# Altium PCB AL1000.PcbDoc (part 1 of 8)
Units mil, origin at the board's own origin, x right, y up, seen from the top; angles counter-clockwise.
Board outline 8277.75 x 4143.89 mil, 4 copper layers (Component Side, Ground Plane, Power Plane, Solder Side), stack 33.234 mil thick; 485 components, 360 nets, 1548 pads, 394 vias.
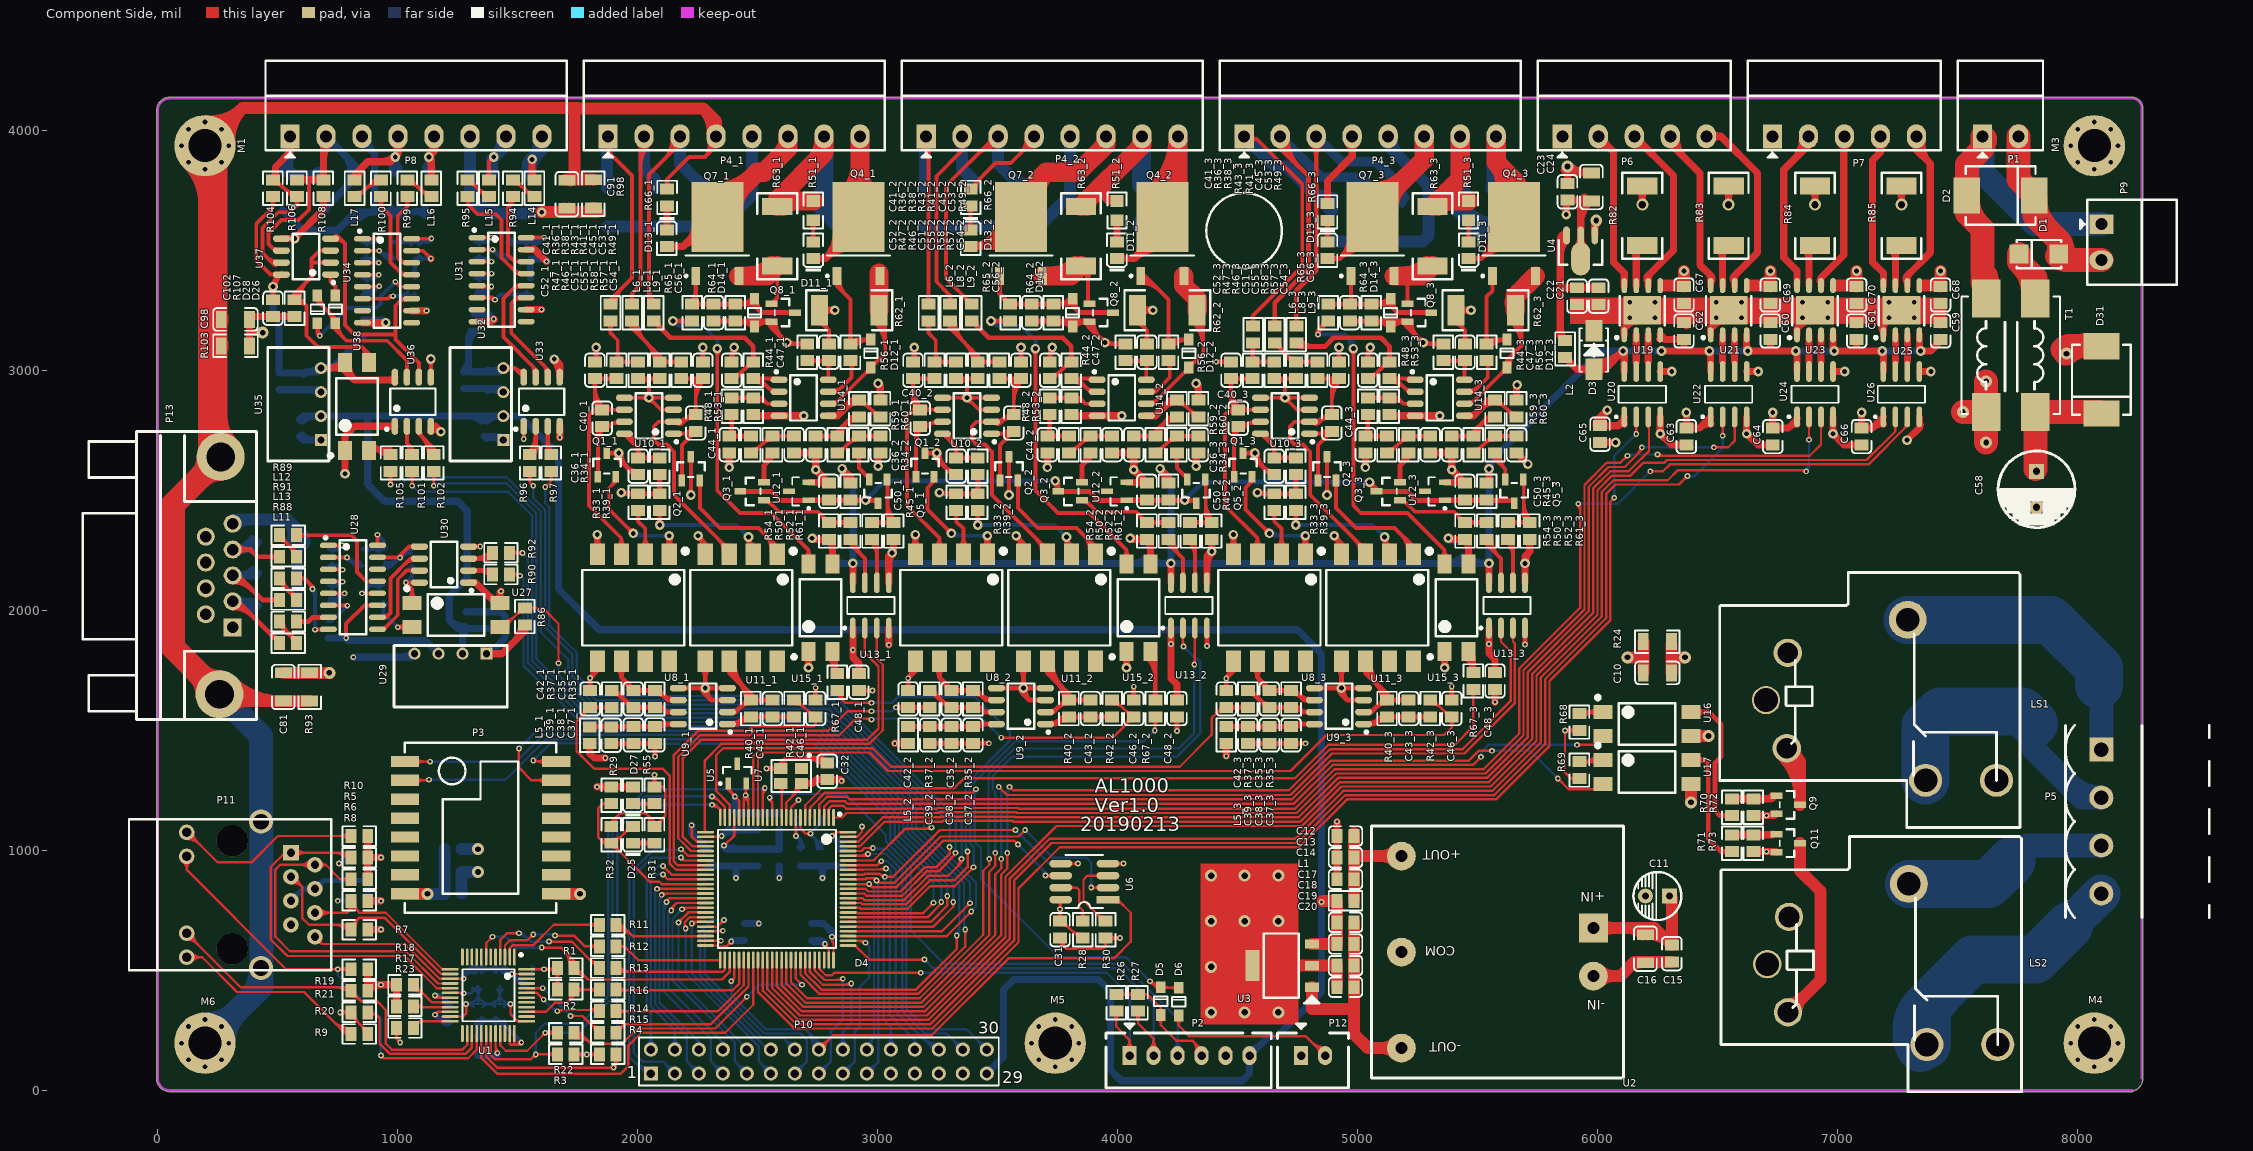
[diagram p0: Component Side view]
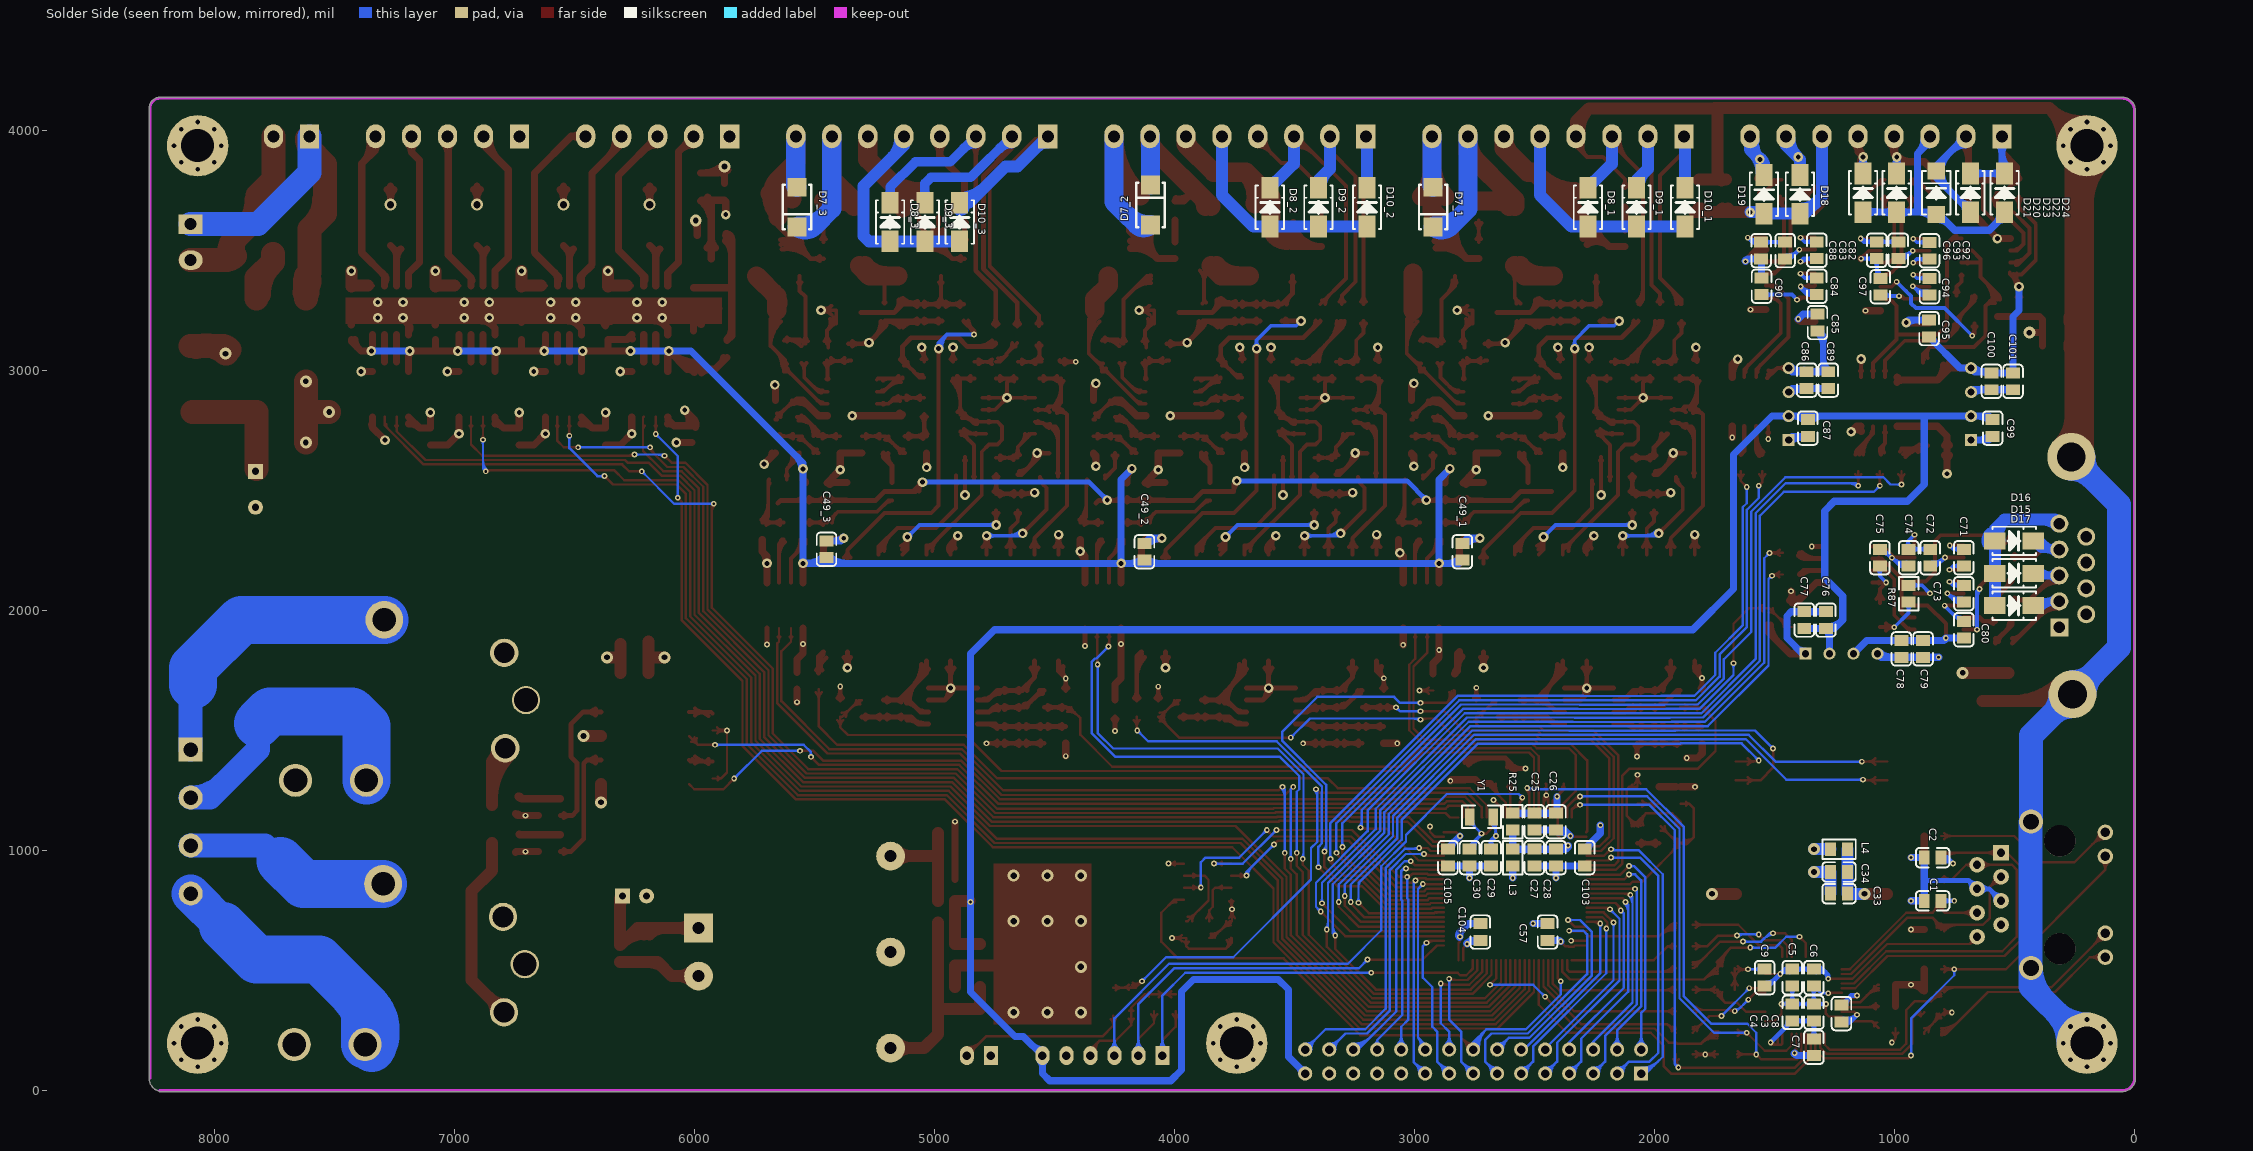
[diagram p1: Solder Side view, seen from below]
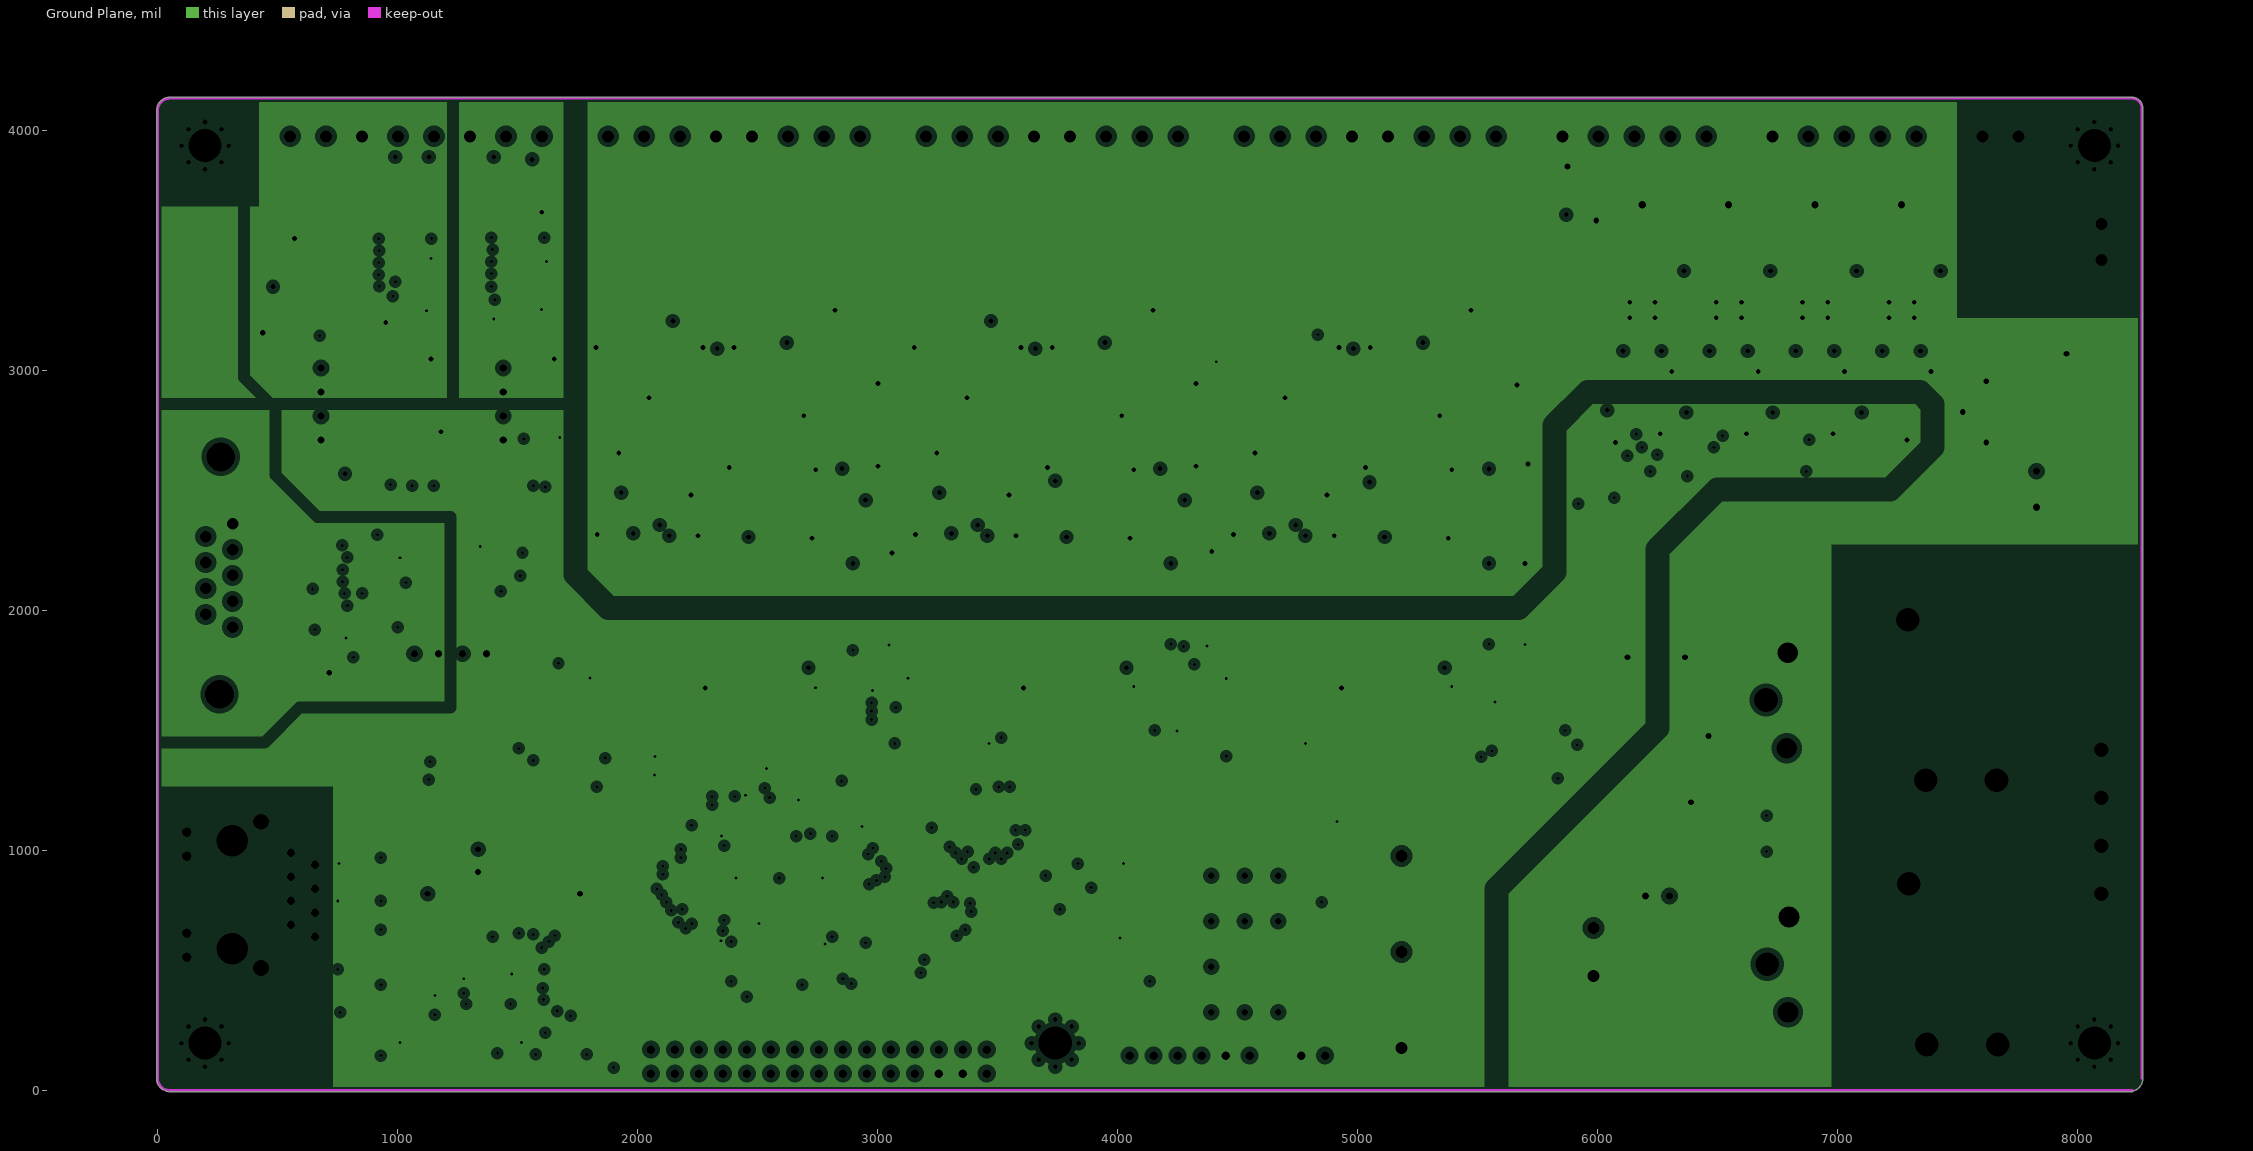
[diagram p2: Ground Plane, clearances drawn from the general rule]
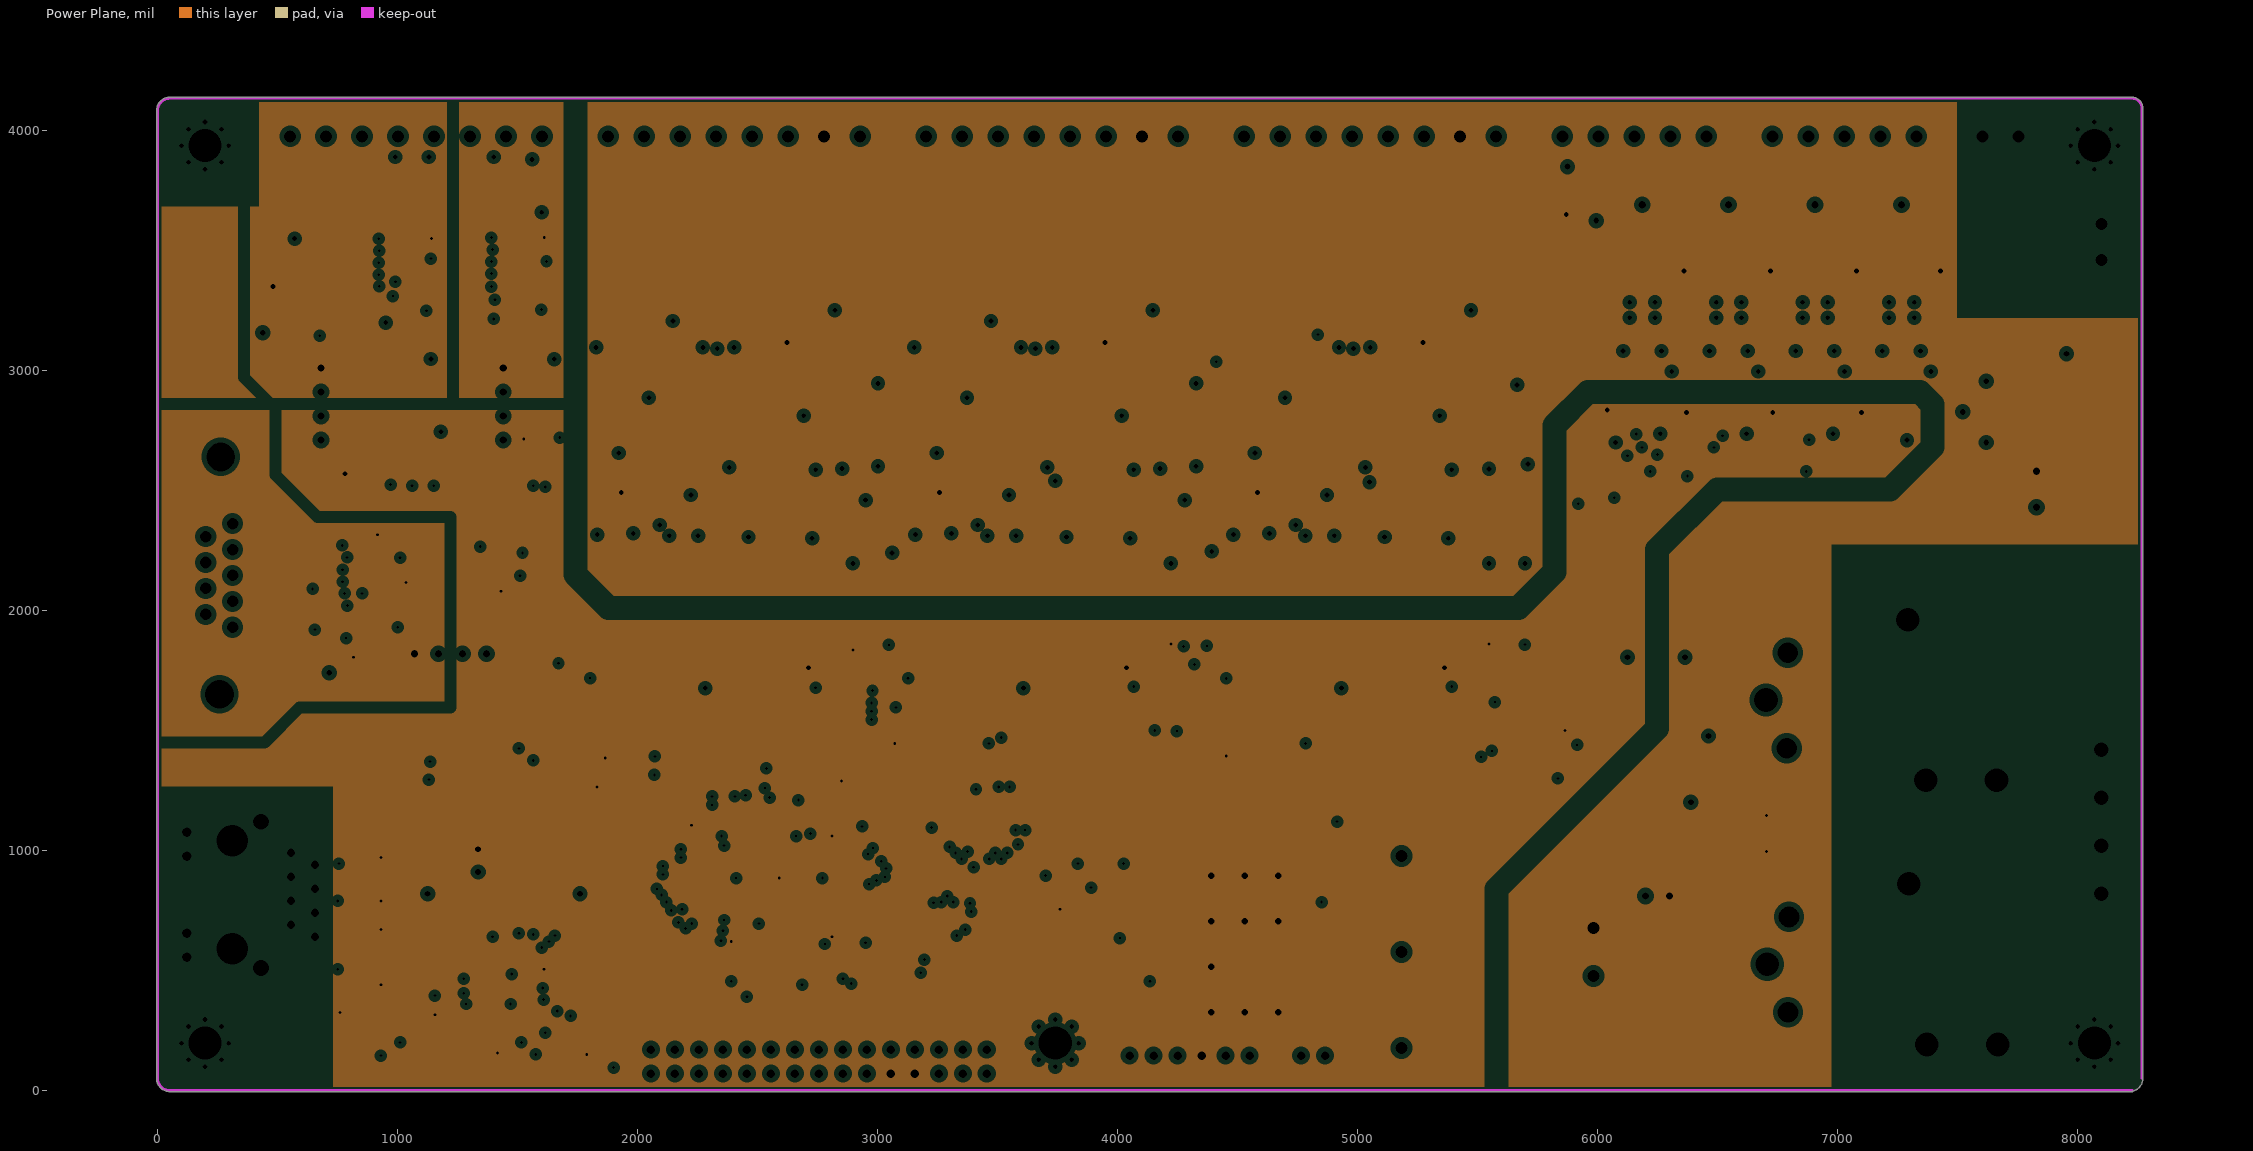
[diagram p3: Power Plane, clearances drawn from the general rule]
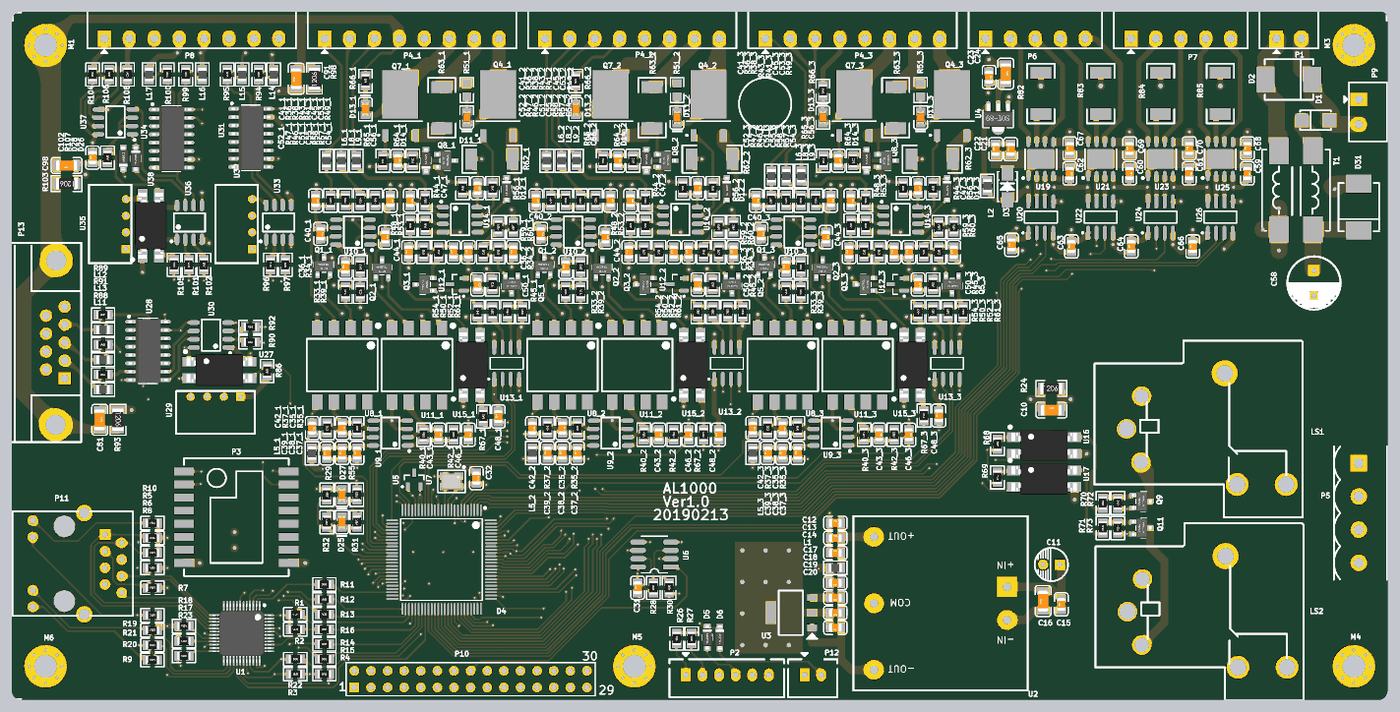
[diagram p11: 3D render of the assembled board from above, using the file's embedded part models]
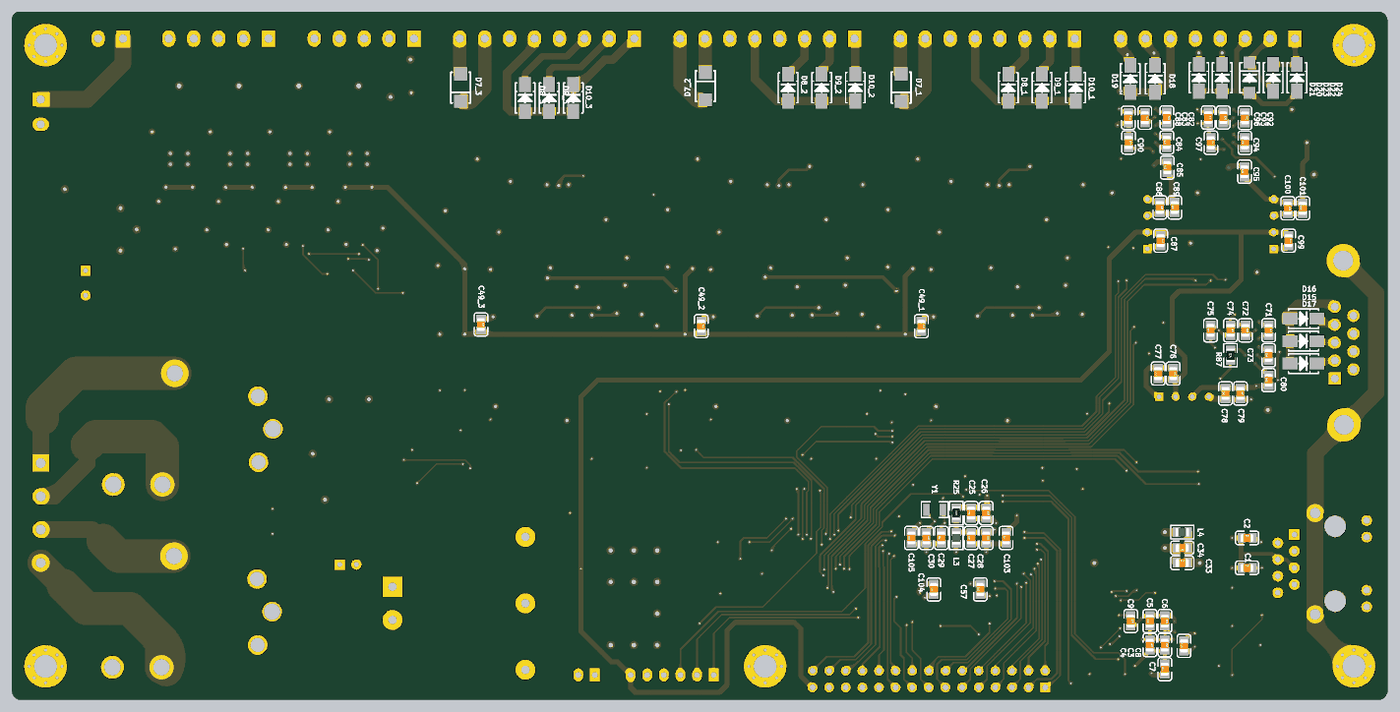
[diagram p12: 3D render of the assembled board from below, using the file's embedded part models]

## Layer stack, top to bottom
Top Solder: solder mask 0.4, Solder Resist, Dk 3.5
Component Side: signal copper 1.4
Dielectric 1: core 12.6, FR-4, Dk 4.8
Ground Plane: plane copper 1.417, net (Multiple Nets)
Dielectric 3: prepreg 5, Dk 4.2
Power Plane: plane copper 1.417, net (Multiple Nets)
Dielectric 4: core 10, Dk 4.2
Solder Side: signal copper 1.4
Bottom Solder: solder mask 0.4, Solder Resist, Dk 3.5

## Board outline
50,-5.02 cw(c50,50) -3.04,35.38 cw(c0,39.37) -5.01,39.37 -5.01,4083.86 cw(c50,4083.86) 50,4138.87 8228.35,4138.87 cw(c8228.35,4094.49) 8272.73,4094.49 8272.73,50 cw(c8217.72,50) 8232.34,-3.04 cw(c8228.35,0) 8228.35,-5.02

## Design rules (kind name [scope] priority, off if disabled: settings)
Clearance [All] p1: gap=8
PlaneClearance [All] p1: clearance=20
PlaneConnect [All] p1: planeconnectstyle=Relief reliefexpansion=20 reliefentries=4 reliefconductorwidth=10 reliefairgap=10
PolygonConnect [All] p1: connectstyle=Relief reliefconductorwidth=10 reliefentries=4 polygonreliefangle="90 Angle" airgapwidth=10
RoomDefinition EtherNet [InComponentClass('EtherNet')] p1: confinementstyle=ConfineIn formatcopy=TRUE lockcomponents=FALSE outline -134.92,446 -134.92,1184 737.6,1184 737.6,1114.69 923.62,1114.69 923.62,1024.69 923.62,744.69 1958.62,744.69 1958.62,95.31 1783.62,95.31 1616.38,95.31 1616.38,96.38 1280.31,96.38 1280.31,180.31 756.38,180.31 756.38,446
RoomDefinition 3 [InComponentClass('3')] p2: confinementstyle=ConfineIn formatcopy=TRUE lockcomponents=FALSE outline 4398.27,1547.8 4398.27,1715.04 4398.54,1715.04 4398.54,2293.13 4410.59,2293.13 4410.59,4306.34 5695.32,4306.34 5695.32,3807.8 5727.64,3807.8 5727.64,2415 5772.64,2415 5772.64,2247.76 5742.2,2247.76 5742.2,1862.8 5627.64,1862.8 5627.64,1622.8 5447.64,1622.8 5447.64,1507.8 5074.75,1507.8 5074.75,1471.34 4777.64,1471.34 4777.64,1397.8 4488.27,1397.8 4398.27,1397.8 4398.27,1547.8
RoomDefinition 2 [InComponentClass('2')] p3: confinementstyle=ConfineIn formatcopy=TRUE lockcomponents=FALSE outline 3072.68,1547.8 3072.68,1715.04 3072.95,1715.04 3072.95,2293.13 3085,2293.13 3085,4306.34 4369.72,4306.34 4369.72,3807.8 4402.05,3807.8 4402.05,2415 4447.05,2415 4447.05,2247.76 4416.61,2247.76 4416.61,1862.8 4302.05,1862.8 4302.05,1507.8 3749.16,1507.8 3749.16,1471.34 3452.05,1471.34 3452.05,1397.8 3162.68,1397.8 3072.68,1397.8 3072.68,1547.8
RoomDefinition 1 [InComponentClass('1')] p4: confinementstyle=ConfineIn formatcopy=TRUE lockcomponents=FALSE outline 1745.32,1396.38 1745.32,1563.62 1747.09,1563.62 1747.09,1715.04 1747.36,1715.04 1747.36,2293.13 1759.41,2293.13 1759.41,4306.34 3044.13,4306.34 3044.13,3807.8 3076.46,3807.8 3076.46,2415 3121.46,2415 3121.46,2247.76 3091.02,2247.76 3091.02,1862.8 2976.46,1862.8 2976.46,1617.8 2796.46,1617.8 2796.46,1507.8 2423.57,1507.8 2423.57,1471.34 2126.46,1471.34 2126.46,1397.8 1944.69,1397.8 1944.69,1396.38 1745.32,1396.38
RoomDefinition Relay [InComponentClass('Relay')] p5: confinementstyle=ConfineIn formatcopy=TRUE lockcomponents=FALSE outline 5736.18,3872.8 5736.18,4306.34 7446.5,4306.34 7446.5,3388.62 7485.39,3388.62 7485.39,3238.62 7485.39,3223.45 8237.05,3223.45 8237.05,1536 8566,1536 8566,704 7782.6,704 7782.6,-21.42 6498.82,-21.42 6498.82,1079.29 6493.62,1079.29 6493.62,1220.55 5969.9,1220.55 5969.9,1251.38 5870.31,1251.38 5870.31,3872.8
RoomDefinition UART [InComponentClass('UART')] p6: confinementstyle=ConfineIn formatcopy=TRUE lockcomponents=FALSE outline -329,1530 -329,2762 217.01,2762 217.01,3274.17 425.31,3274.17 425.31,3343.62 425.32,3343.62 425.32,3843.62 433.82,3843.62 433.82,4306.34 1718.54,4306.34 1718.54,3842.99 1876.18,3842.99 1876.18,3629.69 1766.18,3629.69 1766.18,3628.35 1711.38,3628.35 1711.38,2718.2 1694.68,2718.2 1694.68,2531.38 1584.69,2531.38 1584.69,1891.38 1479.43,1891.38 1479.43,1874.88 1472.22,1874.88 1472.22,1582.09 694.17,1582.09 694.17,1574.69 428,1574.69 428,1530
RoomDefinition Power [InComponentClass('Power')] p7: confinementstyle=ConfineIn formatcopy=TRUE lockcomponents=FALSE outline 4518.47,347.52 4518.47,668.86 4866.38,668.86 4866.38,1114.69 5041.99,1114.69 5041.99,1117.32 5800.17,1117.32 5800.17,3675.55 5805.31,3675.55 5805.31,3828.66 5898.82,3828.66 5898.82,3876.65 7487.36,3876.65 7487.36,4306.34 7872.09,4306.34 7872.09,3867.05 7906.6,3867.05 7906.6,3727.36 8429.96,3727.36 8429.96,3342.64 7941.09,3342.64 7941.09,2734.82 6365,2734.82 6365,695 6364.69,695 6364.69,486.38 6261.18,486.38 6261.18,483.35 6123.99,483.35 6123.99,35.32 5041.99,35.32 5041.99,347.52
RoomDefinition STM32 [InComponentClass('STM32')] p8: confinementstyle=ConfineIn formatcopy=TRUE lockcomponents=FALSE outline 956.98,725.67 956.98,1464.33 1733.02,1464.33 1733.02,1418.43 2736.68,1418.43 2736.68,1413.62 2844.69,1413.62 2844.69,1184.68 2924.68,1184.68 2924.68,994.17 4021.24,994.17 4021.24,479.35 4302.4,479.35 4302.4,291.89 4977.85,291.89 4977.85,-4.86 3935.57,-4.86 3935.57,6.06 1937,6.06 1937,725.67
RoutingVias [All] p1: holewidth=24 width=50 viastyle="Through Hole" minholewidth=12 minwidth=24 maxholewidth=50 maxwidth=100
SilkToSolderMaskClearance [IsPad] p1: minsilkscreentomaskgap=6 clearancetoexposedcopper=TRUE
SolderMaskExpansion [All] p1: expansion=4
Width [All] p1: maxlimit=200 minlimit=10 preferedwidth=16
26 further rules are at their usual default settings.

## Classes and differential pairs
component class 3: C35_3 C36_3 C37_3 C38_3 C39_3 C40_3 C41_3 C42_3 C43_3 C44_3 C45_3 C46_3 C47_3 C48_3 C49_3 C50_3 C51_3 C52_3 C53_3 C54_3 C55_3 C56_3 D7_3 D8_3 D9_3 D10_3 D11_3 D12_3 D13_3 D14_3 L5_3 L6_3 L8_3 L9_3 P4_3 Q1_3 Q2_3 Q3_3 Q4_3 Q5_3 Q7_3 Q8_3 R33_3 R34_3 R35_3 R36_3 R37_3 R38_3 R39_3 R40_3 R41_3 R42_3 R43_3 R44_3 R45_3 R46_3 R47_3 R48_3 R49_3 R50_3 R51_3 R52_3 R53_3 R54_3 R56_3 R57_3 R58_3 R59_3 R60_3 R61_3 R62_3 R63_3 R64_3 R65_3 R66_3 R67_3 U8_3 U9_3 U10_3 U11_3 U12_3 U13_3 U14_3 U15_3
channel class HV: 1 2
component class STM32: C25 C26 C27 C28 C29 C30 C31 C32 C33 C34 C57 C103 C104 C105 D4 D5 D6 D25 D27 L3 L4 P2 P3 P10 P12 R25 R26 R27 R28 R29 R30 R31 R32 R55 U5 U6 U7 X2 Y1
component class Relay: C58 C59 C60 C61 C62 C63 C64 C65 C66 C67 C68 C69 C70 D31 LS1 LS2 P5 P6 P7 Q9 Q11 R68 R69 R70 R71 R72 R73 R82 R83 R84 R85 U16 U17 U19 U20 U21 U22 U23 U24 U25 U26
component class 2: C35_2 C36_2 C37_2 C38_2 C39_2 C40_2 C41_2 C42_2 C43_2 C44_2 C45_2 C46_2 C47_2 C48_2 C49_2 C50_2 C51_2 C52_2 C53_2 C54_2 C55_2 C56_2 D7_2 D8_2 D9_2 D10_2 D11_2 D12_2 D13_2 D14_2 L5_2 L6_2 L8_2 L9_2 P4_2 Q1_2 Q2_2 Q3_2 Q4_2 Q5_2 Q7_2 Q8_2 R33_2 R34_2 R35_2 R36_2 R37_2 R38_2 R39_2 R40_2 R41_2 R42_2 R43_2 R44_2 R45_2 R46_2 R47_2 R48_2 R49_2 R50_2 R51_2 R52_2 R53_2 R54_2 R56_2 R57_2 R58_2 R59_2 R60_2 R61_2 R62_2 R63_2 R64_2 R65_2 R66_2 R67_2 U8_2 U9_2 U10_2 U11_2 U12_2 U13_2 U14_2 U15_2
component class 1: C35_1 C36_1 C37_1 C38_1 C39_1 C40_1 C41_1 C42_1 C43_1 C44_1 C45_1 C46_1 C47_1 C48_1 C49_1 C50_1 C51_1 C52_1 C53_1 C54_1 C55_1 C56_1 D7_1 D8_1 D9_1 D10_1 D11_1 D12_1 D13_1 D14_1 L5_1 L6_1 L8_1 L9_1 P4_1 Q1_1 Q2_1 Q3_1 Q4_1 Q5_1 Q7_1 Q8_1 R33_1 R34_1 R35_1 R36_1 R37_1 R38_1 R39_1 R40_1 R41_1 R42_1 R43_1 R44_1 R45_1 R46_1 R47_1 R48_1 R49_1 R50_1 R51_1 R52_1 R53_1 R54_1 R56_1 R57_1 R58_1 R59_1 R60_1 R61_1 R62_1 R63_1 R64_1 R65_1 R66_1 R67_1 U8_1 U9_1 U10_1 U11_1 U12_1 U13_1 U14_1 U15_1
component class EtherNet: C1 C2 C3 C4 C5 C6 C7 C8 C9 P11 R1 R2 R3 R4 R5 R6 R7 R8 R9 R10 R11 R12 R13 R14 R15 R16 R17 R18 R19 R20 R21 R22 R23 U1
component class Power: C10 C11 C12 C13 C14 C15 C16 C17 C18 C19 C20 C21 C22 C23 C24 D1 D2 D3 L1 L2 P1 P9 R24 T1 U2 U3 U4
component class UART: C71 C72 C73 C74 C75 C76 C77 C78 C79 C80 C81 C82 C83 C84 C85 C86 C87 C88 C89 C90 C91 C92 C93 C94 C95 C96 C97 C98 C99 C100 C101 C102 D15 D16 D17 D18 D19 D20 D21 D22 D23 D24 D26 D28 L11 L12 L13 L14 L15 L16 L17 P8 P13 R86 R87 R88 R89 R90 R91 R92 R93 R94 R95 R96 R97 R98 R99 R100 R101 R102 R103 R104 R105 R106 R107 R108 U27 U28 U29 U30 U31 U32 U33 U34 U35 U36 U37 U38 X3
component class AL1000: M1 M3 M4 M5 M6
